# Allegro board RK_NVR_DEMO1_RK3588_LP4XD200P232SD8_V21_20211228_final_lint.brd (continued)
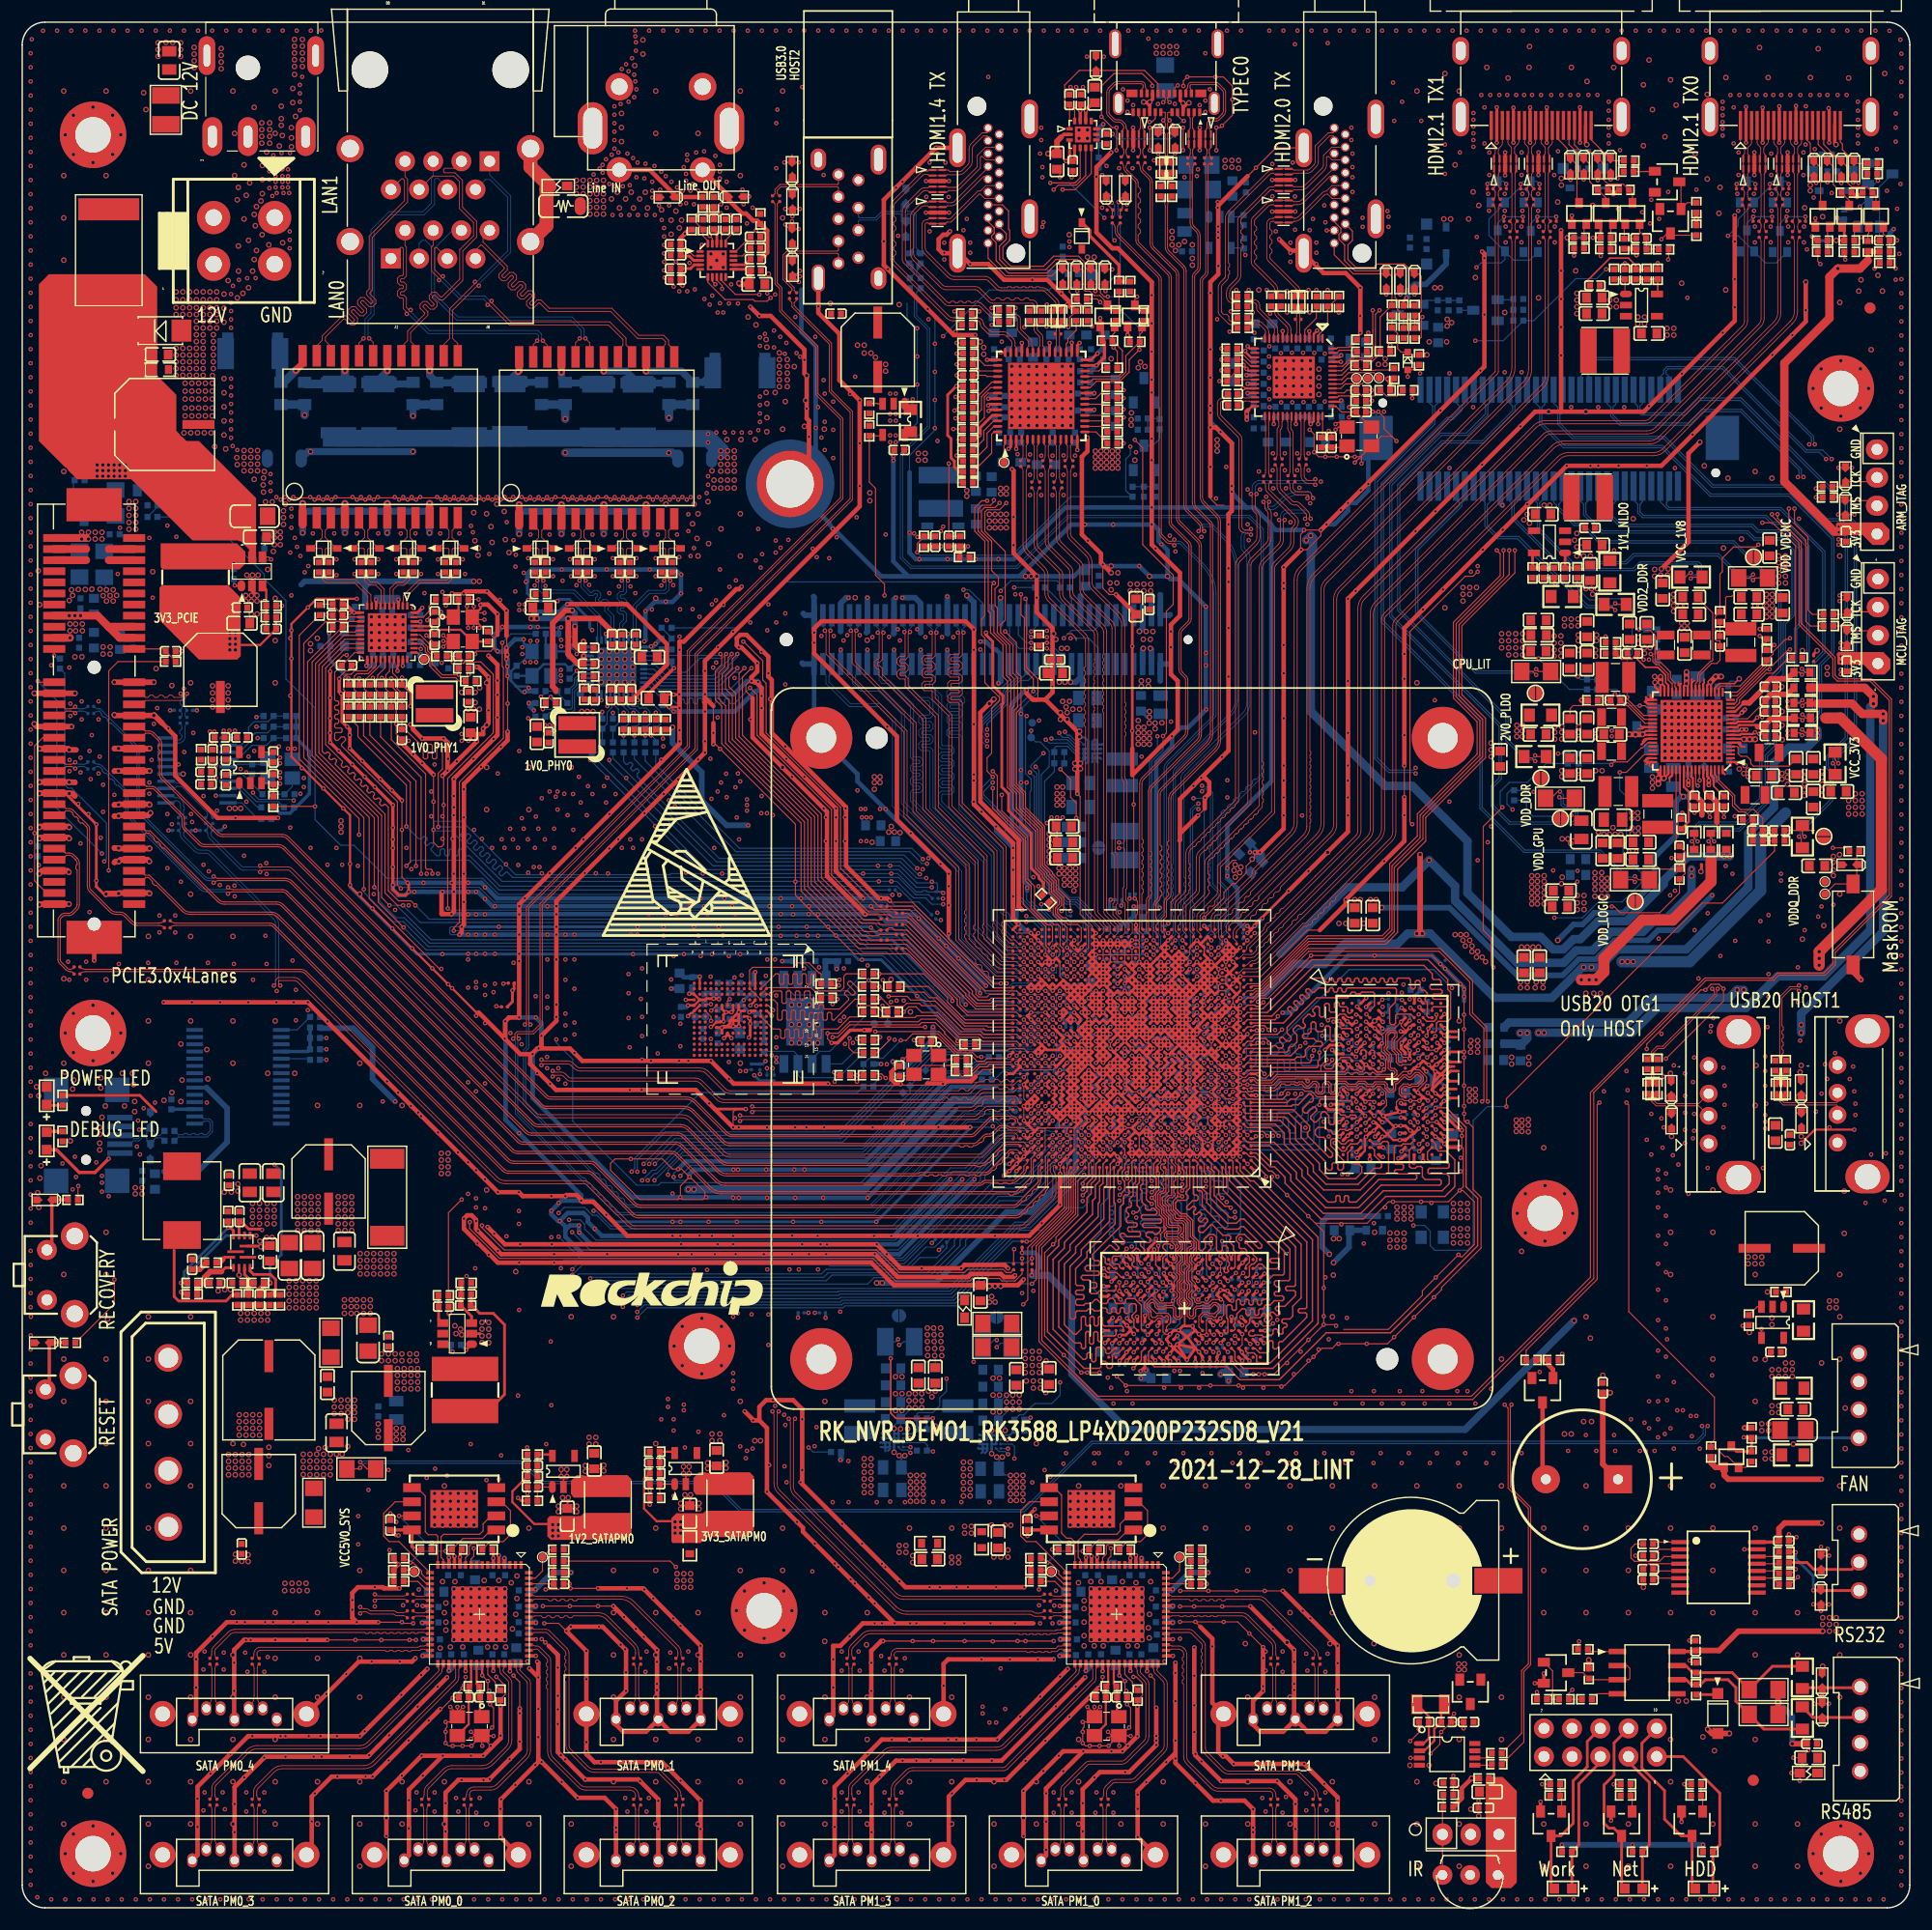
[diagram p0: board, top side]
## Routing (per net, layer and track width the routed paths; a pad name or vN(x,y) marks a point on that pad's centre or on a via; arc(x,y) is an arc through that point) (continued)
DDR_CH0_CLKN_A: length 23.3
  TOP w0.102: U3800.J9 125.1,76.01 124.36,76.01 124.29,75.94 124.09,75.94 123.8,76.23 123.8,76.92 123.42,77.3 123.42,78.31 123.67,78.56 123.67,78.81 123.57,78.91 123.32,78.91 123.06,78.65 123.06,77.63 122.92,77.5 122.92,77.35 123.37,76.91 123.37,76.29 123.28,76.2 123.28,75.77 123.39,75.67 123.64,75.67 123.87,75.45 123.87,75.14 123.64,74.92 113.11,74.92 112.55,74.36 111.22,74.36 110.94,74.64 110.82,74.64 110.72,74.54 U1000.N1
DDR_CH0_CLKN_B: length 25.9
  TOP w0.102: U1000.M1 110.75,73.91 112.83,73.91 113.38,74.46 114.69,74.46 114.79,74.36 114.93,74.36 115.03,74.46 115.35,74.46 115.74,74.07 115.88,74.07 116.3,74.5 116.61,74.5 116.83,74.28 116.83,73.95 116.76,73.87 116.76,73.65 116.86,73.55 117.08,73.55 117.18,73.65 117.18,74.25 117.4,74.47 117.72,74.47 117.94,74.25 117.94,73.62 118.03,73.53 118.15,73.53 118.26,73.64 118.26,74.24 118.53,74.51 119.25,74.51 119.52,74.24 120.11,74.24 120.38,74.51 120.99,74.51 121.26,74.24 121.67,74.24 121.88,74.46 122.78,74.46 123,74.24 123,73.97 123.26,73.71 123.44,73.71 123.54,73.81 123.54,74.34 123.7,74.49 123.82,74.49 124.42,75.08 124.73,75.08 124.94,74.87 125.09,74.87 125.52,75.3 125.85,75.3 126.25,74.9 126.25,74.56 125.75,74.06 125.27,74.06 125.17,73.96 124.86,73.96 124.76,74.06 124.51,74.06 124.26,73.81 124.26,73.45 124.31,73.4 125.11,73.4 U3800.P9
DDR_CH0_CLKP_A: length 23.7
  TOP w0.102: U3800.J8 124.58,76.38 124.44,76.38 124.28,76.21 124.1,76.21 124,76.32 124,77 123.62,77.39 123.62,78.22 123.87,78.48 123.87,78.89 123.65,79.11 123.24,79.11 122.86,78.73 122.86,77.72 122.72,77.58 122.72,77.27 123.16,76.83 123.16,76.37 123.08,76.29 123.08,75.69 123.3,75.47 123.56,75.47 123.66,75.37 123.66,75.22 123.56,75.12 121.97,75.12 121.79,75.3 121.64,75.3 121.47,75.13 121.33,75.13 121.15,75.3 121.01,75.3 120.83,75.12 120.44,75.12 120.26,75.3 120.05,75.3 119.87,75.12 119.71,75.12 119.53,75.3 119.38,75.3 119.2,75.12 113.02,75.12 112.47,74.56 111.31,74.56 111.03,74.84 110.58,74.84 110.28,74.54 U1000.N2
DDR_CH0_CLKP_B: length 26.2
  TOP w0.102: U1000.M2 110.29,73.89 110.41,73.77 110.41,73.69 110.51,73.59 110.72,73.58 110.85,73.58 110.98,73.71 111.17,73.71 111.23,73.65 111.5,73.65 111.55,73.71 111.81,73.71 111.87,73.65 112.19,73.65 112.25,73.71 112.44,73.71 112.5,73.65 112.86,73.65 113.03,73.83 113.13,73.83 113.35,74.05 113.35,74.14 113.46,74.26 113.74,74.26 113.84,74.16 114.22,74.16 114.32,74.26 114.6,74.26 114.7,74.16 115.01,74.16 115.11,74.26 115.27,74.26 115.65,73.87 115.97,73.87 116.39,74.29 116.53,74.29 116.63,74.19 116.63,74.03 116.55,73.96 116.55,73.57 116.77,73.35 117.16,73.35 117.39,73.57 117.39,74.17 117.49,74.27 117.63,74.27 117.73,74.17 117.73,73.54 117.94,73.33 118.24,73.33 118.46,73.56 118.46,74.16 118.61,74.31 119.17,74.31 119.44,74.04 120.2,74.04 120.47,74.31 120.9,74.31 121.17,74.04 121.75,74.04 121.97,74.26 122.7,74.26 122.8,74.16 122.8,73.88 123.17,73.51 123.53,73.51 123.75,73.73 123.75,74.25 123.78,74.29 123.91,74.29 124.5,74.88 124.64,74.88 124.86,74.67 125.18,74.67 125.6,75.09 125.77,75.09 126.05,74.81 126.05,74.64 125.67,74.26 125.19,74.26 125.09,74.16 124.95,74.16 124.85,74.26 124.42,74.26 124.06,73.9 124.06,73.36 124.28,73.14 124.57,73.14 U3800.P8
DDR_CH0_DM0_A: length 13.8
  TOP w0.127: U3800.C3 120.35,80.51 v1(120.19,80.51) ; v1(109.1,78.76) 108.77,79.09 U1000.Y4
  L6-S2 w0.089: v1(109.1,78.76) 109.42,78.44 109.95,78.44 110.11,78.27
  L6-S2 w0.127: v1(120.19,80.51) 120.06,80.38 116.52,80.38 113.73,77.59 110.79,77.59 110.11,78.27
DDR_CH0_DM0_B: length 13.7
  TOP w0.127: U1000.G4 v1(109.1,70.31) ; U3800.Y3 120.3,68.86 119.7,68.86 119.35,68.52 119.35,68.39 119.18,68.22 118.9,68.22 118.26,68.85 v1(118.26,68.95)
  L6-S2 w0.089: v1(109.1,70.31) 109.43,70.65 109.91,70.65 110.11,70.45
  L6-S2 w0.127: v1(118.26,68.95) 117.14,68.95 116.15,69.94 114.63,69.94 114.22,70.35 110.21,70.35 110.11,70.45
DDR_CH0_DM1_A: length 25.3
  TOP w0.127: v1(127.43,80.51) 127.43,80.13 127.21,79.91 126.55,79.91 U3800.C10 ; U1000.AB4 v1(109.1,80.71)
  L6-S2 w0.089: 110.44,81.17 110.28,81.02 109.9,81.02 109.88,81.04 109.61,81.04 109.59,81.02 109.4,81.02 v1(109.1,80.71)
  L6-S2 w0.127: 110.44,81.17 112.01,81.17 115.16,84.32 126.29,84.32 127.4,83.2 127.4,80.54 v1(127.43,80.51)
DDR_CH0_DM1_B: length 22.5
  TOP w0.127: U1000.E4 108.64,69.2 v1(108.45,69.01) ; v1(125.85,68.84) 125.88,68.84 U3800.Y10
  L6-S2 w0.089: v1(108.45,69.01) 109.42,68.04 110.18,68.04 110.21,68.01
  L6-S2 w0.127: v1(125.85,68.84) 125.88,68.82 126.04,68.82 126.29,68.57 126.29,67.94 125.78,67.43 125.78,67.05 124.48,65.75 113.99,65.75 113.29,66.46 111.76,66.46 110.21,68.01
DDR_CH0_DQ0_A: length 18
  TOP w0.127: U3800.B2 119.82,80.78 119.71,80.66 119.53,80.66 119.43,80.76 119.43,81.09 119.3,81.22 118.79,81.22 118.67,81.34 118.67,81.53 118.54,81.65 118.36,81.65 118.23,81.53 118.23,81.2 118.39,81.05 118.39,80.87 118.26,80.74 117.9,80.74 117.78,80.87 117.78,81.4 117.65,81.53 117.47,81.53 117.34,81.4 117.34,80.44 117.22,80.31 117.02,80.31 116.89,80.44 116.89,81.14 116.76,81.26 116.58,81.26 116.29,80.97 116.29,80.81 116.47,80.63 116.47,80.47 116.36,80.36 116.2,80.36 116.02,80.54 115.86,80.54 115.42,80.1 115.42,79.8 115.61,79.61 115.61,79.43 115.48,79.31 115.27,79.31 115.04,79.54 114.86,79.54 114.52,79.2 114.52,79.02 114.86,78.69 114.86,78.05 114.44,77.63 114.22,77.63 114.09,77.5 114.09,77.28 113.95,77.14 U1000.U1
DDR_CH0_DQ0_B: length 16.8
  TOP w0.127: U3800.AA2 119.82,68.46 119.43,68.06 119.43,67.3 119.56,67.18 119.94,67.18 120.06,67.05 120.44,67.05 120.7,66.79 120.7,66.28 120.15,65.73 117.69,65.73 116.89,66.53 116.89,67.08 114.73,69.24 114.73,70.31 113.75,71.29 U1000.H1
DDR_CH0_DQ1_A: length 13.7
  TOP w0.127: U1000.T2 110.07,76.49 110.4,76.81 114.31,76.81 v1(115.16,77.67) ; v1(117.65,80) 117.88,80.23 118.39,80.23 118.71,80.56 119.15,80.56 119.45,80.26 119.8,80.26 U3800.C2
  L6-S2 w0.127: v1(117.65,80) 117.63,79.98 116.74,79.98 116.37,79.61 116.37,79.45 116.5,79.31 116.5,79.16 116.39,79.05 116.23,79.05 116.1,79.18 115.94,79.18 115.83,79.07 115.83,78.91 115.96,78.78 115.96,78.62 115.85,78.51 115.69,78.51 115.56,78.64 115.4,78.64 114.73,77.97 114.73,77.79 114.86,77.67 v1(115.16,77.67)
DDR_CH0_DQ1_B: length 18.7
  TOP w0.127: U3800.Y2 119.54,69.19 119.21,68.86 118.86,68.86 118.39,69.33 118.03,69.33 117.9,69.21 117.9,68.7 118.54,68.06 118.54,67.89 119.05,67.38 119.05,66.67 118.88,66.5 118.67,66.5 118.54,66.62 118.54,67.02 118.41,67.15 118.13,67.15 118.03,67.05 118.03,66.62 117.9,66.5 117.69,66.5 117.4,66.79 117.4,67.3 115.24,69.45 115.24,70.52 114.13,71.62 110.2,71.62 110.07,71.75 U1000.J2
DDR_CH0_DQ2_A: length 18.8
  TOP w0.127: U3800.E2 119.82,79.14 119.7,79.27 118.87,79.27 118.67,79.47 118.51,79.47 118.29,79.24 118.29,78.22 118.16,78.1 117.98,78.1 117.85,78.22 117.85,79.37 117.72,79.49 117.5,79.49 117.4,79.39 117.4,79.24 117.14,78.99 116.69,78.99 116.56,79.11 116.56,79.72 116.43,79.85 116.25,79.85 116.13,79.72 116.13,78.99 115.93,78.78 115.49,78.78 115.36,78.66 115.36,78.48 115.49,78.35 116.38,78.35 116.63,78.1 117.02,78.1 117.14,77.97 117.14,77.79 117.02,77.66 115.95,77.66 115.62,77.34 115.62,76.83 115.49,76.7 114.86,76.7 114.62,76.46 110.75,76.46 110.72,76.49 U1000.T1
DDR_CH0_DQ2_B: length 17.5
  TOP w0.127: U3800.V2 119.82,70.3 119.7,70.17 119.56,70.17 119.46,70.07 119.28,70.07 119.17,70.17 118.74,70.17 118.31,69.74 118.13,69.74 118.03,69.84 118.03,69.97 117.9,70.1 117.65,70.1 117.4,70.35 116.76,70.35 116.51,70.1 116.51,69.72 116.76,69.46 117.27,69.46 117.4,69.33 117.4,68.7 118.07,68.03 118.07,67.78 117.94,67.65 117.76,67.65 115.81,69.6 115.81,69.91 116,70.1 116,70.47 114.54,71.94 U1000.J1
DDR_CH0_DQ3_A: length 15.1
  TOP w0.127: U3800.F2 v1(119.49,77.95) ; v1(116.23,76.8) 116.15,76.73 116.15,76.34 115.97,76.16 110.4,76.16 110.07,75.84 U1000.R2
  L6-S2 w0.127: v1(116.23,76.8) 116.3,76.73 117.04,76.73 117.27,76.95 118.16,76.95 118.64,77.44 118.95,77.44 119.66,76.73 119.66,76.55 119.84,76.37 120.47,76.37 120.57,76.47 120.57,76.88 120.77,77.08 120.77,77.44 120.64,77.58 120.1,77.58 119.75,77.93 119.51,77.93 v1(119.49,77.95)
DDR_CH0_DQ3_B: length 18.9
  TOP w0.127: U1000.K2 110.07,72.4 110.2,72.27 114.37,72.27 114.48,72.38 114.97,72.38 115.93,73.34 116.11,73.34 116.32,73.13 116.32,72.76 116.19,72.64 116,72.64 115.38,72.02 115.38,71.84 115.57,71.65 115.77,71.65 116.3,72.18 116.48,72.18 116.62,72.04 116.62,71.86 116.09,71.33 116.09,71.15 116.41,70.83 116.58,70.83 117.02,71.26 117.02,71.57 117.21,71.76 117.39,71.76 117.73,71.42 117.73,70.76 117.88,70.6 118.13,70.6 118.22,70.69 118.22,71.56 118.31,71.65 118.64,71.65 118.82,71.46 119.17,71.46 119.34,71.3 119.52,71.3 119.68,71.46 120.11,71.46 120.19,71.38 120.19,71.24 120.09,71.14 U3800.U2
DDR_CH0_DQ4_A: length 16.4
  TOP w0.127: U1000.W1 111.02,78.73 113.08,78.73 v1(113.51,79.16) ; U3800.F4 v1(121.1,78.61)
  L6-S2 w0.127: v1(121.1,78.61) 121.46,78.98 121.46,80.26 121.84,80.64 121.84,81.27 121.46,81.65 120.95,81.65 120.57,82.03 119.68,82.03 119.17,81.53 116,81.53 113.64,79.16 v1(113.51,79.16)
DDR_CH0_DQ4_B: length 13.4
  TOP w0.127: v1(112.19,69.58) 111.78,69.99 U1000.F1 ; U3800.U4 v1(121.03,70.75)
  L6-S2 w0.127: v1(112.19,69.58) 112.19,69.84 112.32,69.97 113.97,69.97 114.48,69.46 116,69.46 116.89,68.57 119.17,68.57 119.76,69.16 120.39,69.16 120.7,69.46 120.7,70.41 v1(121.03,70.75)
DDR_CH0_DQ5_A: length 14.4
  TOP w0.127: v1(112.32,77.97) 112.32,78.1 112.06,78.35 111.1,78.35 110.87,78.12 110.4,78.12 U1000.V2 ; U3800.E4 v1(121.1,79.26)
  L6-S2 w0.127: v1(121.1,79.26) 120.7,79.66 120.7,80.64 120.47,80.87 119.91,80.87 119.81,80.76 116.32,80.76 113.65,78.1 112.44,78.1 v1(112.32,77.97)
DDR_CH0_DQ5_B: length 14.4
  TOP w0.127: v1(121.05,70.09) 121.05,70.12 U3800.V4 ; U1000.G2 110.39,70.32 112.5,70.32 113.21,69.61 v1(113.21,69.59)
  L6-S2 w0.127: v1(121.05,70.09) 121.13,70.09 121.46,69.76 121.46,69.33 120.95,68.83 119.94,68.83 119.3,68.19 116.63,68.19 115.87,68.95 113.84,68.95 v1(113.21,69.59)
DDR_CH0_DQ6_A: length 13.1
  TOP w0.127: v1(111.3,77.97) 111.3,77.91 111.17,77.79 U1000.V1 ; v1(121.12,80.55) U3800.C4
  L6-S2 w0.127: v1(111.3,77.97) 111.3,78 111.91,78.61 113.62,78.61 116.16,81.15 119.43,81.15 119.86,81.58 120.52,81.58 120.7,81.4 120.7,80.96 v1(121.12,80.55)
DDR_CH0_DQ6_B: length 21
  TOP w0.127: U3800.Y4 121.75,68.86 122.39,68.86 122.6,69.08 122.98,69.08 123.11,68.95 123.11,66.29 122.98,66.16 122.02,66.16 120.57,64.71 117.27,64.71 115.82,66.16 115.82,66.71 113.71,68.82 113.71,69.84 112.92,70.64 U1000.G1
DDR_CH0_DQ7_A: length 18.6
  TOP w0.127: U1000.U2 110.07,77.33 110.2,77.46 112.44,77.46 112.7,77.72 112.95,77.72 113.15,77.51 113.48,77.51 113.61,77.64 113.61,77.82 113.3,78.13 113.3,78.31 113.46,78.48 113.59,78.48 113.94,78.12 114.2,78.12 114.32,78.25 114.32,78.5 113.97,78.86 113.97,79.37 116.63,82.03 119.43,82.03 119.68,82.29 119.68,82.42 119.81,82.54 120.06,82.54 120.25,82.36 120.39,82.36 120.44,82.42 120.57,82.42 120.7,82.54 121.71,82.54 121.84,82.42 121.84,81.31 U3800.B4
DDR_CH0_DQ7_B: length 18.8
  TOP w0.127: U3800.AA4 121.62,68.54 121.84,68.32 121.84,67.82 122.48,67.19 122.48,66.79 122.35,66.67 121.8,66.67 120.36,65.22 117.48,65.22 116.33,66.37 116.33,66.92 114.22,69.03 114.22,70.1 113.35,70.97 110.39,70.97 U1000.H2
DDR_CH0_DQ8_A: length 28.1
  TOP w0.127: U3800.B11 127.02,81.09 127.15,81.22 128.32,81.22 128.45,81.35 128.45,81.78 128.32,81.91 127.2,81.91 127.08,82.03 127.08,82.24 127.2,82.36 127.81,82.36 127.94,82.49 127.94,82.67 127.81,82.8 126.97,82.8 126.85,82.92 126.85,83.1 126.97,83.23 127.74,83.23 127.83,83.32 127.83,83.54 127.68,83.69 127.18,83.69 127.05,83.81 127.05,84.19 126.29,84.96 116.43,84.96 112.19,80.71 110.4,80.71 U1000.AB2
DDR_CH0_DQ8_B: length 31.1
  TOP w0.127: U1000.D2 110.07,68.69 110.39,68.37 111.38,68.37 112.44,67.3 113.08,67.3 114.3,66.08 114.3,65.53 117.23,62.6 120.62,62.6 122.65,64.64 127.94,64.64 128.57,65.27 128.57,65.93 128.34,66.16 126.78,66.16 126.67,66.27 126.67,66.54 126.79,66.67 128.45,66.67 128.57,66.79 128.57,67.05 128.32,67.3 126.79,67.3 126.61,67.48 126.61,68.13 U3800.AA11
DDR_CH0_DQ9_A: length 26.8
  TOP w0.127: U3800.C11 126.74,80.24 126.57,80.41 126.57,80.59 126.61,80.64 126.61,81.61 126.41,81.81 126.41,82.03 126.6,82.22 126.6,82.45 126.33,82.72 126.11,82.72 125.96,82.87 125.96,83.48 125.83,83.61 125.65,83.61 125.52,83.48 125.52,82.95 125.4,82.82 125.22,82.82 125.09,82.95 125.09,83.66 124.94,83.81 123.98,83.81 123.87,83.7 123.87,83.54 123.75,83.43 123.6,83.43 123.49,83.54 123.49,83.7 123.37,83.81 123.22,83.81 123.1,83.7 123.1,83.54 122.99,83.43 122.83,83.43 122.72,83.54 122.72,83.7 122.61,83.81 122.45,83.81 122.34,83.7 122.34,83.54 122.23,83.43 122.07,83.43 121.96,83.54 121.96,83.7 121.85,83.81 121.69,83.81 121.58,83.7 121.58,83.54 121.47,83.43 121.31,83.43 121.2,83.54 121.2,83.7 121.09,83.81 120.93,83.81 120.82,83.7 120.82,83.54 120.71,83.43 120.55,83.43 120.44,83.54 120.44,83.7 120.33,83.81 120.17,83.81 120.06,83.7 120.06,83.54 119.94,83.43 119.79,83.43 119.68,83.54 119.68,83.7 119.56,83.81 119.41,83.81 119.29,83.7 119.29,83.54 119.18,83.43 119.02,83.43 118.91,83.54 118.91,83.7 118.8,83.81 118.64,83.81 118.53,83.7 118.53,83.54 118.42,83.43 118.26,83.43 118.15,83.54 118.15,83.7 118.04,83.81 117.88,83.81 117.77,83.7 117.77,83.54 117.66,83.43 117.5,83.43 117.39,83.54 117.39,83.7 117.28,83.81 116.02,83.81 112.6,80.39 110.72,80.39 U1000.AB1
DDR_CH0_DQ9_B: length 27.8
  TOP w0.127: U3800.Y11 127.38,68.84 127.38,68.45 127.6,68.22 128.29,68.22 129.08,67.43 129.08,65.02 128.19,64.13 122.86,64.13 120.83,62.1 117.02,62.1 113.79,65.32 113.79,65.85 112.85,66.79 112.44,66.79 111.2,68.04 110.72,68.04 U1000.C1
DDR_CH0_DQ10_A: length 26.5
  TOP w0.127: U1000.AC1 110.72,81.04 111.78,81.04 116.2,85.46 126.67,85.46 128.45,83.69 128.45,82.79 128.7,82.53 128.7,80.17 128.45,79.91 127.59,79.91 127.43,79.75 127.43,79.06 127.3,78.94 U3800.E11
DDR_CH0_DQ10_B: length 22.5
  TOP w0.127: v1(113.1,65.91) 112.6,66.41 112.32,66.41 111.02,67.7 110.61,67.7 110.28,68.04 U1000.C2 ; U3800.V11 127.03,70.49 v1(127.38,70.14)
  L6-S2 w0.127: v1(113.1,65.91) 113.64,65.37 124.84,65.37 127.69,68.22 127.69,69.83 v1(127.38,70.14)
DDR_CH0_DQ11_A: length 25.5
  TOP w0.127: v1(111.83,81.62) 111.47,81.27 111.18,81.27 111.08,81.37 110.41,81.37 U1000.AC2 ; U3800.F11 v1(127.31,78.58)
  L6-S2 w0.127: v1(111.83,81.62) 111.83,81.65 114.98,84.8 126.57,84.8 127.79,83.58 127.79,79.05 v1(127.31,78.58)
DDR_CH0_DQ11_B: length 24.2
  TOP w0.127: v1(112.08,65.91) 112.08,66.03 U1000.B1 ; U3800.U11 v1(127.35,71.46)
  L6-S2 w0.127: v1(127.35,71.46) 127.81,71 127.81,70.48 128.49,69.8 128.49,68.48 125,64.99 112.99,64.99 v1(112.08,65.91)
DDR_CH0_DQ12_A: length 22.3
  TOP w0.127: v1(111.25,79.09) 110.72,79.09 U1000.Y1 ; v1(125.78,78.65) U3800.F9
  L6-S2 w0.089: 111.54,79.45 111.25,79.16 v1(111.25,79.09)
  L6-S2 w0.127: 111.54,79.45 112.09,80 113.4,80 115.69,82.29 117.14,82.29 117.65,82.8 123.75,82.8 123.87,82.67 123.87,82.24 123.76,82.13 123.48,82.13 123.37,82.02 123.37,81.86 123.48,81.75 123.76,81.75 123.87,81.64 123.87,81.48 123.76,81.37 123.48,81.37 123.37,81.26 123.37,81.1 123.48,80.99 123.76,80.99 123.87,80.88 123.87,79.62 124,79.49 124.51,79.49 124.64,79.37 124.64,79.11 124.76,78.99 125.45,78.99 v1(125.78,78.65)
DDR_CH0_DQ12_B: length 22.1
  TOP w0.127: U1000.F2 110.07,69.99 v1(110.4,69.66) ; U3800.U9 v1(125.75,70.81)
  L6-S2 w0.127: v1(110.4,69.66) 112.22,67.84 113.56,67.84 113.97,67.43 119.13,67.43 119.44,67.12 120.52,67.12 120.7,67.3 121.03,67.3 121.21,67.12 121.7,67.12 121.83,67.25 121.83,67.51 121.94,67.62 122.1,67.62 122.21,67.51 122.21,67.25 122.34,67.12 123.06,67.12 123.75,67.81 123.75,68.11 123.62,68.23 123.1,68.23 122.98,68.35 122.98,68.5 123.1,68.62 123.51,68.62 123.62,68.73 123.62,69.84 123.91,70.13 124.55,70.13 124.89,70.48 125.41,70.48 v1(125.75,70.81)
DDR_CH0_DQ13_A: length 22.7
  TOP w0.127: U1000.Y2 110.31,79.33 110.4,79.41 110.92,79.41 111.02,79.52 111.93,79.52 v1(112.3,79.15) ; v1(125.12,78.64) U3800.E9
  L6-S2 w0.127: v1(125.12,78.64) 124.96,78.48 124,78.48 123.87,78.35 123.87,77.97 123.75,77.84 123.11,77.84 122.98,77.97 122.98,79.83 123.1,79.94 123.38,79.94 123.49,80.05 123.49,80.21 123.38,80.32 123.1,80.32 122.98,80.43 122.98,81.93 122.5,82.42 119.56,82.42 119.05,81.91 115.84,81.91 113.56,79.62 112.75,79.62 112.3,79.17 v1(112.3,79.15)
DDR_CH0_DQ13_B: length 21.2
  TOP w0.127: U3800.V9 v1(125.07,70.84) ; U1000.E1 110.81,69.34 110.81,69.34 110.95,69.34 v1(111.16,69.55)
  L6-S2 w0.127: v1(125.07,70.84) 125.05,70.86 123.11,70.86 122.98,70.73 122.98,69.33 122.73,69.08 121.84,69.08 121.23,68.47 120.09,68.47 119.43,67.81 115.71,67.81 115.6,67.92 115.6,68.46 115.49,68.57 115.33,68.57 115.22,68.46 115.22,67.92 115.11,67.81 114.95,67.81 114.84,67.92 114.84,68.46 114.73,68.57 114.57,68.57 114.46,68.46 114.46,67.92 114.35,67.81 114.22,67.81 113.82,68.22 113.39,68.22 113.28,68.33 113.28,68.71 113.16,68.83 113.01,68.83 112.9,68.71 112.9,68.33 112.78,68.22 112.49,68.22 v1(111.16,69.55)
DDR_CH0_DQ14_A: length 26.8
  TOP w0.127: U1000.AA1 110.75,79.76 113.64,79.76 114.36,80.48 114.36,80.64 114.04,80.95 114.04,81.11 114.15,81.22 114.31,81.22 114.63,80.91 114.79,80.91 114.9,81.02 114.9,81.17 114.58,81.49 114.58,81.65 114.69,81.76 114.85,81.76 115.17,81.44 115.33,81.44 115.44,81.56 115.44,81.71 115.12,82.03 115.12,82.19 115.23,82.3 115.39,82.3 115.71,81.98 115.87,81.98 115.98,82.1 115.98,82.25 115.66,82.57 115.66,82.73 115.77,82.84 115.93,82.84 116.25,82.52 116.4,82.52 116.8,82.92 117.27,82.92 117.38,82.81 117.38,82.65 117.49,82.54 117.65,82.54 117.76,82.65 117.76,82.81 117.88,82.92 118.03,82.92 118.15,82.81 118.15,82.65 118.26,82.54 118.41,82.54 118.53,82.65 118.53,82.81 118.64,82.92 118.8,82.92 118.91,82.81 118.91,82.65 119.02,82.54 119.18,82.54 119.29,82.65 119.29,82.81 119.4,82.92 123.7,82.92 123.82,82.8 123.82,82.14 123.72,82.03 123.72,81.63 123.21,81.12 123.21,79.75 123.34,79.62 123.62,79.62 123.75,79.75 123.75,80.43 123.87,80.56 125.1,80.56 U3800.C9
DDR_CH0_DQ14_B: length 29.1
  TOP w0.127: U3800.Y9 125.1,68.86 124.42,68.86 124.25,68.7 123.75,68.7 123.62,68.57 123.62,67.18 123.75,67.05 124.33,67.05 124.46,66.92 124.46,66.67 124.33,66.54 123.75,66.54 123.65,66.44 123.65,66.26 123.75,66.16 125.52,66.16 125.65,66.03 125.65,65.78 125.52,65.65 122.23,65.65 120.19,63.62 119.62,63.62 119.51,63.73 119.51,64.09 119.4,64.2 119.24,64.2 119.13,64.09 119.13,63.73 119.02,63.62 118.86,63.62 118.75,63.73 118.75,64.09 118.63,64.2 118.48,64.2 118.37,64.09 118.37,63.73 118.25,63.62 117.65,63.62 115.31,65.95 115.31,66.5 112.8,69.01 110.4,69.01 110.07,69.34 U1000.E2
DDR_CH0_DQ15_A: length 21.8
  TOP w0.127: U3800.B9 125.19,81.12 v1(125.09,81.12) ; U1000.AA2 110.07,79.74 110.4,80.06 112.88,80.06 113.14,80.32 v1(113.14,80.37)
  L6-S2 w0.127: v1(113.14,80.37) 113.14,80.8 113.69,81.35 113.85,81.35 113.95,81.25 114.1,81.25 114.22,81.36 114.22,81.52 114.11,81.62 114.11,81.77 114.23,81.89 114.38,81.89 114.49,81.79 114.64,81.79 114.75,81.9 114.75,82.05 114.65,82.16 114.65,82.31 114.77,82.43 114.92,82.43 115.02,82.32 115.18,82.32 115.29,82.44 115.29,82.59 115.19,82.69 115.19,82.85 115.53,83.19 115.72,83.19 115.83,83.08 115.83,82.78 115.94,82.67 116.1,82.67 116.21,82.78 116.21,83.08 116.32,83.19 116.48,83.19 116.59,83.08 116.59,82.78 116.7,82.67 116.86,82.67 116.97,82.78 116.97,83.08 117.08,83.19 123.96,83.19 124.29,82.86 124.51,82.86 124.66,82.71 124.66,81.4 124.94,81.12 v1(125.09,81.12)
DDR_CH0_DQ15_B: length 26.9
  TOP w0.127: U1000.D1 110.72,68.69 112.41,68.69 114.81,66.29 114.81,65.74 117.44,63.11 120.4,63.11 122.44,65.14 127.73,65.14 127.85,65.27 127.85,65.52 127.73,65.65 126.4,65.65 126.16,65.9 126.16,66.7 126.03,66.83 125.69,66.83 125.52,66.67 125.14,66.67 124.99,66.82 124.99,68.29 125.24,68.54 U3800.AA9
DDR_CH0_DQS0N_A: length 15.9
  TOP w0.102: v1(109.1,76.81) 108.77,77.14 U1000.U4 ; U3800.E3 120.28,78.59 v1(120.28,78.58)
  L6-S2 w0.097: v1(120.28,78.58) 120.28,78.7 120.17,78.8 119.71,78.8 119.48,79.03 119.48,79.1 119.38,79.2 119.17,79.2 119.13,79.16 118.07,79.16 118,79.24 117.81,79.24 117.68,79.1 117.68,78.96 117.9,78.73 117.9,78.15 117.47,77.72 117,77.72 116.78,77.94 116.78,78.06 116.68,78.16 116.48,78.16 116.31,78 116.31,77.72 115.43,76.84 110.42,76.84 110.06,77.21 109.02,77.21 108.87,77.06 108.87,76.91 108.98,76.81 v1(109.1,76.81)
DDR_CH0_DQS0N_B: length 16.8
  TOP w0.102: v1(120.25,70.16) 120.57,70.49 U3800.V3 ; U1000.J7 v1(107.15,71.61)
  L6-S2 w0.097: v1(107.15,71.61) 107.03,71.61 106.92,71.51 106.92,71.37 107.03,71.27 111.55,71.27 111.65,71.37 112.22,71.37 112.32,71.27 112.69,71.27 112.79,71.37 113.33,71.37 113.43,71.27 113.71,71.27 113.81,71.37 114.35,71.37 114.45,71.27 114.85,71.27 114.98,71.39 115.53,71.39 115.75,71.17 115.75,70.99 115.85,70.89 116.01,70.89 116.11,70.99 116.11,71.17 116.33,71.39 116.64,71.39 116.89,71.15 116.89,70.58 116.99,70.48 117.52,70.48 117.57,70.53 118.22,70.53 118.47,70.27 119.54,70.27 119.9,69.91 120.07,69.91 120.25,70.09 v1(120.25,70.16)
DDR_CH0_DQS0P_A: length 16.2
  TOP w0.102: U1000.U5 v1(108.45,76.81) ; v1(120.28,79.23) 120.28,79.24 U3800.D3
  L6-S2 w0.097: v1(120.28,79.23) 120.28,79.11 120.17,79.01 119.79,79.01 119.68,79.11 119.68,79.18 119.46,79.4 119.08,79.4 119.05,79.37 118.16,79.37 118.09,79.44 117.72,79.44 117.47,79.19 117.47,78.88 117.7,78.65 117.7,78.23 117.39,77.92 117.09,77.92 116.99,78.02 116.99,78.14 116.77,78.36 116.39,78.36 116.11,78.08 116.11,77.81 115.35,77.05 110.51,77.05 110.14,77.41 108.94,77.41 108.67,77.14 108.67,76.91 108.57,76.81 v1(108.45,76.81)
DDR_CH0_DQS0P_B: length 17.1
  TOP w0.102: U3800.W3 120.57,69.84 v1(120.25,69.51) ; v1(106.5,71.61) U1000.J8
  L6-S2 w0.097: v1(106.5,71.61) 106.62,71.61 106.72,71.51 106.72,71.28 106.94,71.06 111.63,71.06 111.73,71.16 112.13,71.16 112.23,71.06 112.77,71.06 112.88,71.16 113.25,71.16 113.35,71.06 113.79,71.06 113.89,71.16 114.26,71.16 114.37,71.06 114.93,71.06 115.06,71.19 115.44,71.19 115.54,71.09 115.54,70.9 115.76,70.68 116.09,70.68 116.31,70.9 116.31,71.09 116.41,71.19 116.56,71.19 116.69,71.06 116.69,70.49 116.91,70.27 117.61,70.27 117.66,70.32 118.13,70.32 118.39,70.07 119.45,70.07 119.82,69.71 120.05,69.71 v1(120.25,69.51)
DDR_CH0_DQS1N_A: length 24.6
  TOP w0.102: v1(109.1,80.06) 108.77,79.74 U1000.AA4 ; U3800.E10 v1(125.87,79.29)
  L6-S2 w0.097: v1(109.1,80.06) 109.01,79.98 109.01,79.72 109.12,79.62 109.78,79.62 110.82,80.66 112.12,80.66 115.27,83.81 124.87,83.81 126.53,82.16 126.53,79.69 126.2,79.37 125.96,79.37 v1(125.87,79.29)
DDR_CH0_DQS1N_B: length 25.2
  TOP w0.102: v1(109.1,69.66) 108.77,69.99 U1000.F4 ; v1(126.55,70.16) U3800.V10
  L6-S2 w0.097: v1(109.1,69.66) 108.98,69.66 108.87,69.56 108.87,69.42 109.26,69.03 110.24,69.03 111.93,67.35 113.37,67.35 113.8,66.92 114.32,66.92 114.53,66.71 114.53,66.48 114.61,66.39 114.74,66.39 114.83,66.48 114.83,66.71 115.04,66.92 115.33,66.92 115.54,66.71 115.54,66.48 115.63,66.39 115.76,66.39 115.85,66.48 115.85,66.71 116.05,66.92 116.35,66.92 116.56,66.71 116.56,66.48 116.65,66.39 116.77,66.39 116.86,66.48 116.86,66.71 117.07,66.92 117.74,66.92 118.02,66.63 118.17,66.63 118.46,66.92 118.83,66.92 119.06,66.69 120.28,66.69 120.43,66.54 120.92,66.54 121.07,66.69 124.12,66.69 124.26,66.83 124.26,67.18 124.84,67.76 124.84,69.28 125.45,69.89 126.28,69.89 v1(126.55,70.16)
DDR_CH0_DQS1P_A: length 25.6
  TOP w0.102: v1(108.45,80.06) 108.45,79.84 108.35,79.74 U1000.AA5 ; U3800.D10 v1(125.87,79.94)
  L6-S2 w0.097: v1(108.45,80.06) 108.45,80.26 108.55,80.36 108.66,80.36 108.76,80.26 108.76,79.69 109.03,79.42 110.08,79.42 110.28,79.62 110.28,79.84 110.45,80 110.6,80 110.81,80.21 110.81,80.37 110.9,80.46 112.21,80.46 115.36,83.61 124.79,83.61 126.32,82.07 126.32,80.55 126.23,80.46 126.23,80.18 126.32,80.09 126.32,79.79 126.17,79.63 126.02,79.63 125.9,79.76 125.9,79.91 v1(125.87,79.94)
DDR_CH0_DQS1P_B: length 25.5
  TOP w0.102: v1(126.55,69.51) U3800.W10 ; U1000.F5 v1(108.45,69.66)
  L6-S2 w0.097: v1(126.55,69.51) 126.37,69.69 125.53,69.69 125.04,69.2 125.04,67.67 124.46,67.09 124.46,66.75 124.2,66.49 121.16,66.49 121,66.34 120.34,66.34 120.19,66.49 118.97,66.49 118.74,66.72 118.54,66.72 118.25,66.43 117.94,66.43 117.65,66.72 117.15,66.72 117.07,66.63 117.07,66.39 116.86,66.18 116.56,66.18 116.35,66.39 116.35,66.63 116.26,66.72 116.14,66.72 116.05,66.63 116.05,66.39 115.84,66.18 115.55,66.18 115.34,66.39 115.34,66.63 115.25,66.72 115.12,66.72 115.03,66.63 115.03,66.39 114.83,66.18 114.53,66.18 114.32,66.39 114.32,66.63 114.23,66.72 113.71,66.72 113.29,67.14 111.84,67.14 110.16,68.83 109.18,68.83 108.67,69.33 108.67,69.56 108.57,69.66 v1(108.45,69.66)
DDR_CH0_LP4/4X_CKE0/LP5_CS0_A: length 19.1
  TOP w0.089: U1000.P7 v1(107.15,74.86)
  BOTTOM w0.089: v1(107.15,74.86) 107.32,74.86 107.65,74.54 110.01,74.54
  BOTTOM w0.127: R3801.1 121.36,75.25 118.51,75.25 118.36,75.4 114.86,75.4 114.73,75.53 114.73,76.32 114.6,76.45 114.35,76.45 114.22,76.32 114.22,75.56 114.09,75.43 113.84,75.43 113.71,75.56 113.71,76.32 113.59,76.45 113.21,76.45 113.11,76.35 113.11,75.14 112.63,74.67 110.14,74.67 110.01,74.54
DDR_CH0_LP4/4X_CKE0/LP5_CS0_B: length 18.5
  TOP w0.127: U1000.L5 108.12,73.24 108.45,72.91 v1(109.1,72.91)
  BOTTOM w0.127: R3804.1 118.54,73.91 118.11,73.47 115.95,73.47 115.36,72.89 114.86,72.89 114.73,72.76 114.73,72 114.48,71.75 113.21,71.75 113.08,71.62 113.08,71.11 112.95,70.99 112.77,70.99 112.64,71.11 112.64,71.62 112.52,71.75 112.32,71.75 112.19,71.62 112.19,71.11 112.06,70.99 111.88,70.99 111.75,71.11 111.75,71.62 111.63,71.75 111.37,71.75 111.25,71.62 111.25,71.11 111.12,70.99 110.79,70.99 110.66,71.12 110.66,72.83 110.58,72.91 v1(109.1,72.91)